# Altium PCB 电机驱动.PcbDoc
Units mil, origin at the board's own origin, x right, y up, seen from the top; angles counter-clockwise.
Board outline 2687.28 x 1978.62 mil, 2 copper layers (Top Layer, Bottom Layer); 41 components, 24 nets, 134 pads, 46 vias.
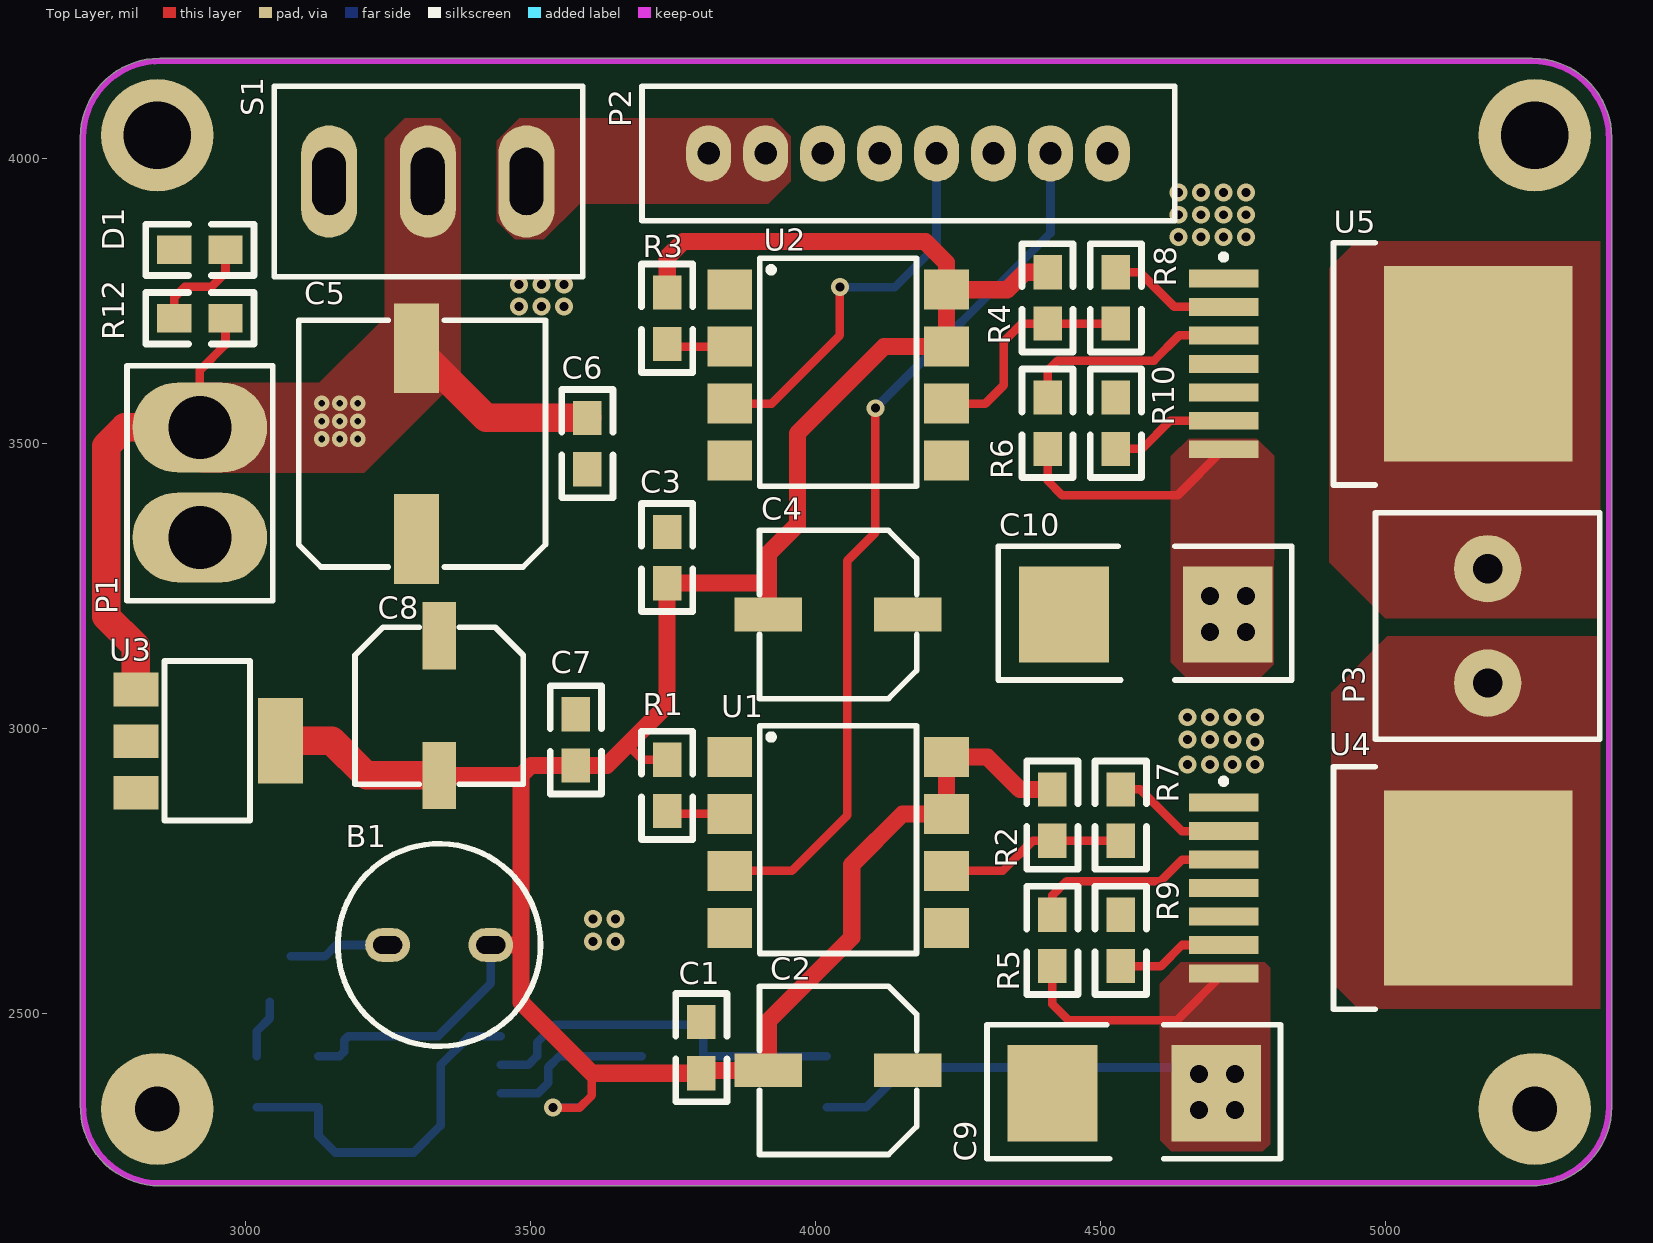
[diagram p0: Top Layer view]
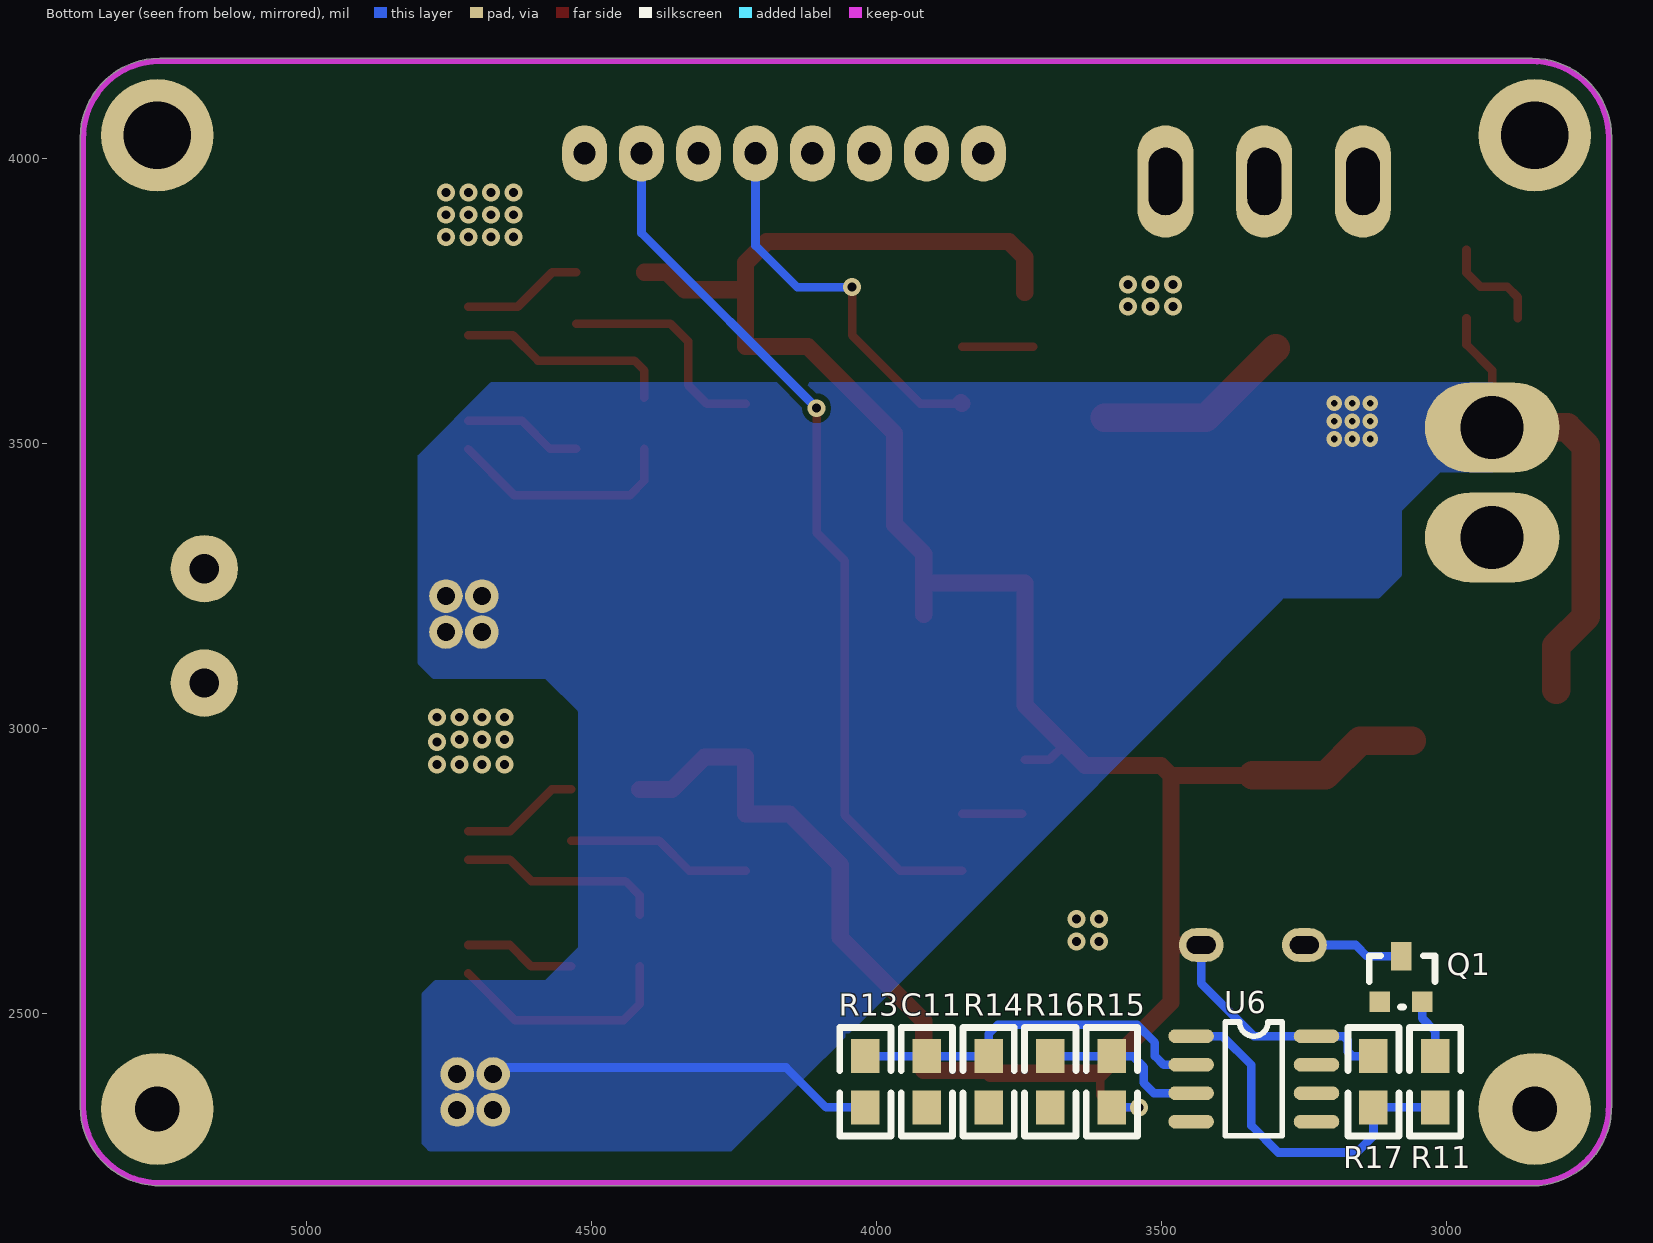
[diagram p1: Bottom Layer view, seen from below]
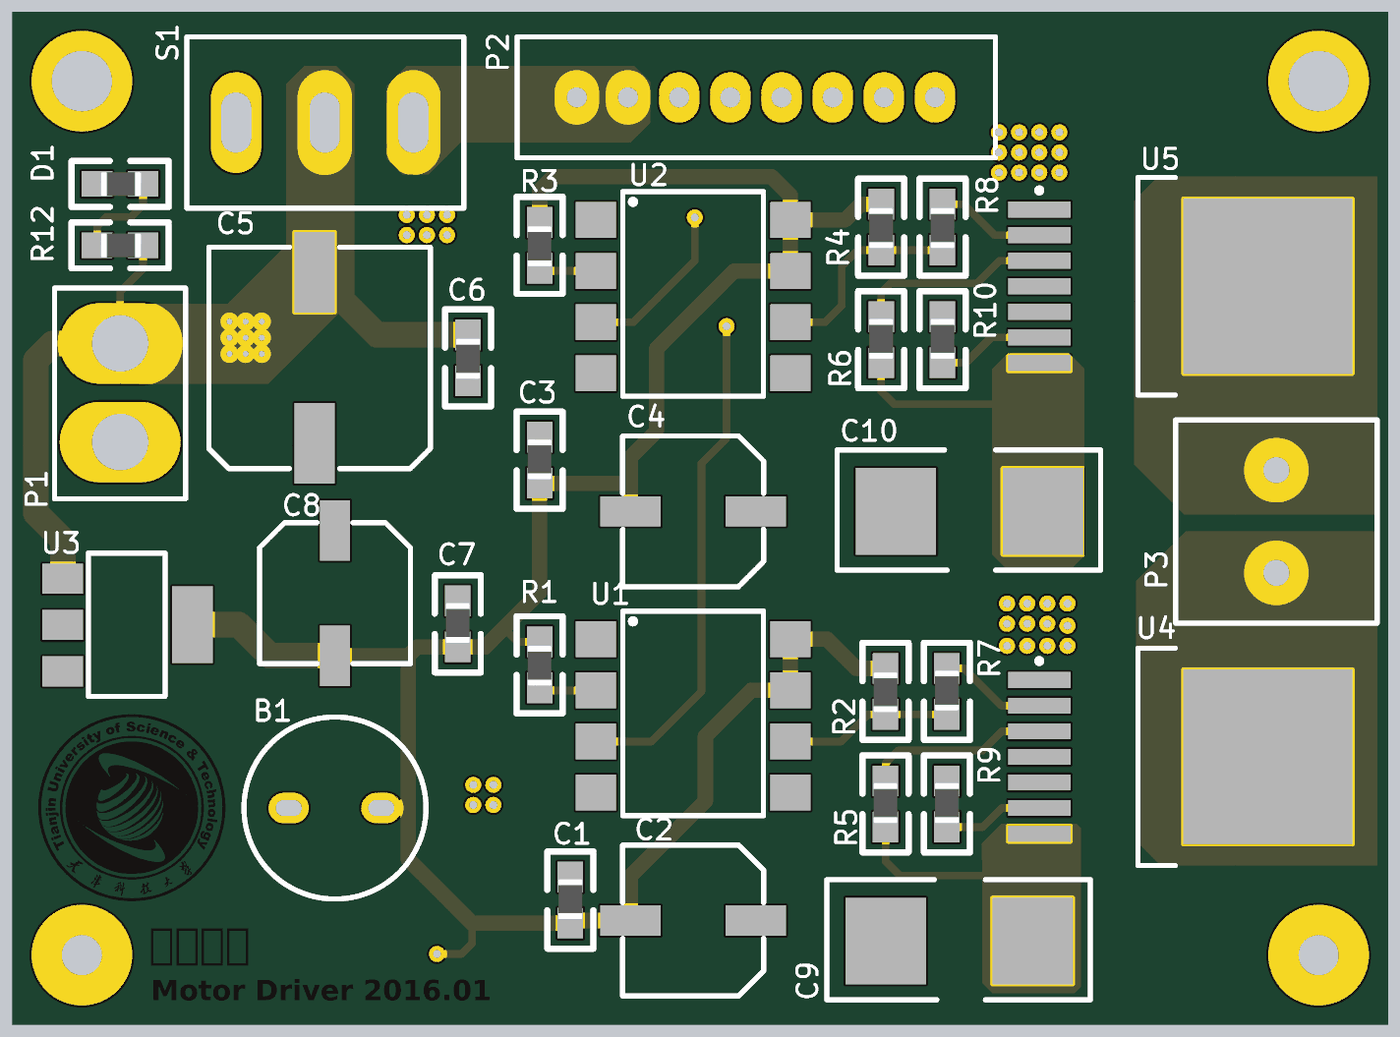
[diagram p2: 3D render of the assembled board from above, using the file's embedded part models]
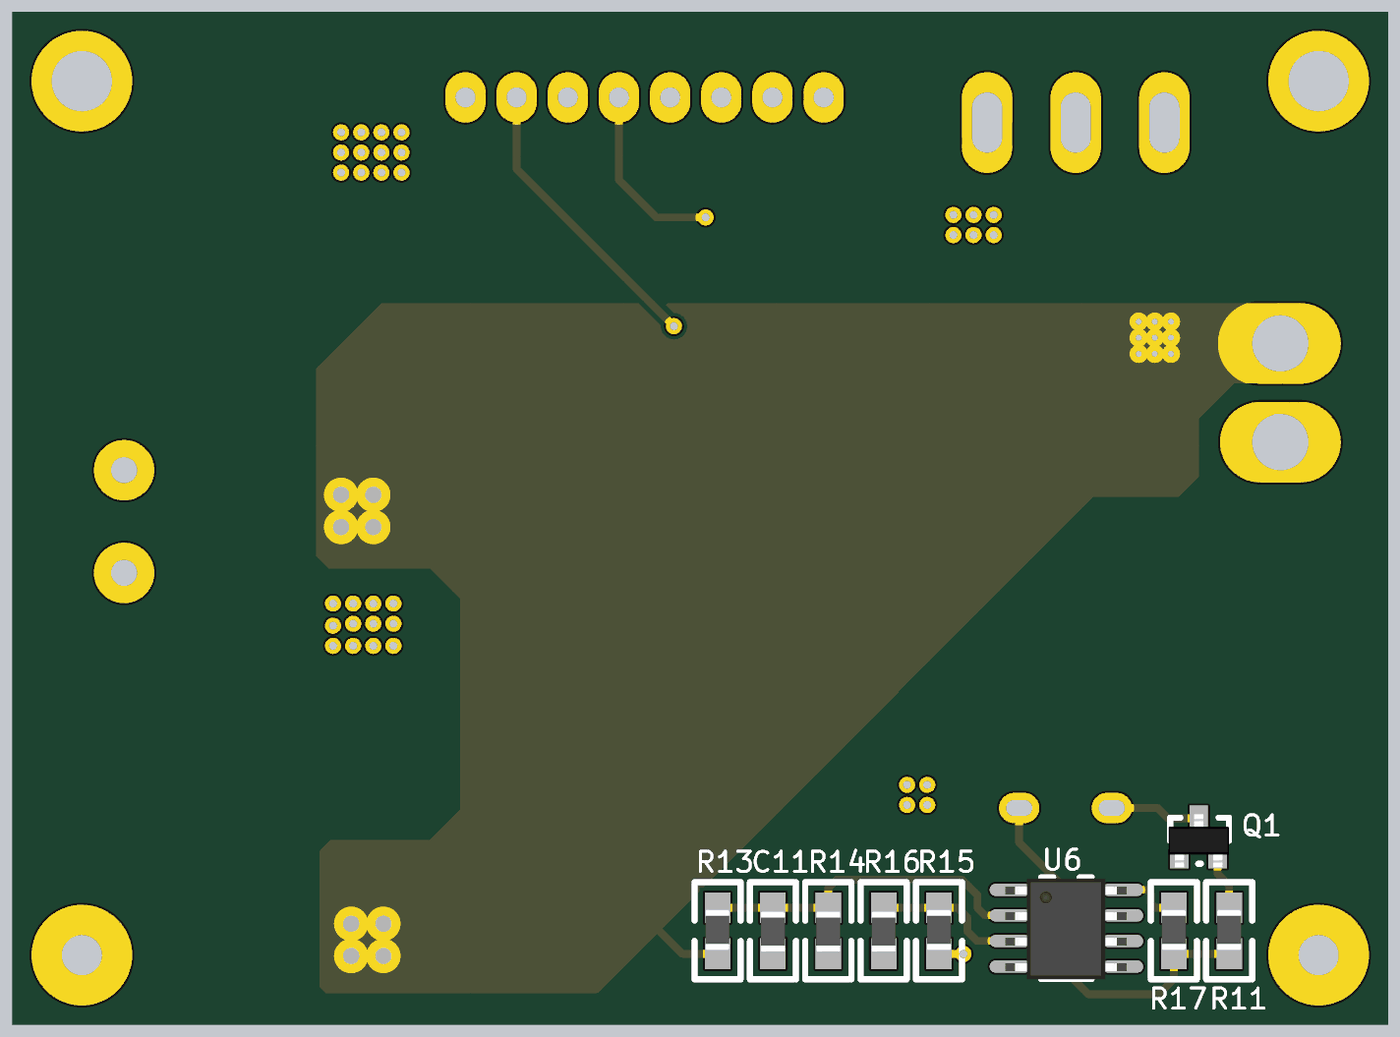
[diagram p3: 3D render of the assembled board from below, using the file's embedded part models]

## Layer stack, top to bottom
Top Layer: signal copper 1.4
Dielectric: dielectric 12.6, FR-4, Dk 4.8
Bottom Layer: signal copper 1.4

## Board outline
2710.34,2339.71 ccw(c2849.22,2336.3) 2849.22,2197.38 ccw(c2849.22,2202.4) 2849.87,2197.43 5254.57,2197.43 ccw(c5254.57,2202.44) 5255.21,2197.47 ccw(c5258.62,2336.34) 5397.54,2336.34 ccw(c5392.52,2336.34) 5397.5,2336.99 5397.5,4033.03 ccw(c5392.48,4033.03) 5397.45,4033.68 ccw(c5258.58,4037.09) 5397.5,4037.09 ccw(c5258.58,4037.09) 5258.58,4176 ccw(c5258.58,4170.99) 5257.93,4175.96 2849.17,4175.96 ccw(c2849.17,4037.04) 2710.26,4037.04 ccw(c2715.27,4037.04) 2710.3,4036.39 2710.3,2340.35 ccw(c2715.32,2340.35)

## Design rules (kind name [scope] priority, off if disabled: settings)
Clearance [All] p1: gap=10
HoleSize [All] p1: absolutevalues=TRUE maxlimit=1968.5 minlimit=1 maxpercent=80.000 minpercent=20.000
MinimumSolderMaskSliver [All] p1: minsoldermaskwidth=0
PolygonConnect [All] p1: connectstyle=Direct reliefconductorwidth=10 reliefentries=4 polygonreliefangle="90 Angle"
RoutingVias [All] p1: holewidth=11.81 width=10 viastyle="Through Hole" minholewidth=10 minwidth=10 maxholewidth=100 maxwidth=23.62
SilkToSilkClearance [All] p1: silktosilkclearance=0
SilkscreenOverComponentPads [All] p1: minsilkscreentomaskgap=0
SolderMaskExpansion [All] p1: expansion=4
Width [All] p1: maxlimit=120 minlimit=10 preferedwidth=15 minimp=50.000000 maximp=50.000000 favimp=50.000000
24 further rules are at their usual default settings.

## Components (designator, comment, footprint, x,y, rotation, side; value= is the part's Value field where it differs from the comment)
B1 "Bell" Buzzer 3340,2620 r180 top
C1 "104" 0805 3800,2440 r270 top
C2 "10UF" "tiepian 100uf 6*7" 4040,2400 r0 top locked
C3 "104" 0805 3740,3300 r270 top locked
C4 "10UF" "tiepian 100uf 6*7" 4040,3200 r0 top locked
C5 "470UF" "tie pian 470uf 10*10.3" 3300,3500 r270 top
C6 "104" 0805 3600,3500 r90 top
C7 "104" 0805 3580,2980 r270 top
C8 "100UF" "tiepian 100uf 6*7" 3340,3040 r90 top locked
C9 "10UF" 7343 4560,2360 r0 top locked
C10 "10UF" 7343 4580,3200 r0 top
C11 "1UF" 0805 3911.81,2380 r90 bottom
D1 "Led" 0805 2920,3840 r180 top locked
P1 "Battery Input" XT-30 2920,3420 r90 top
P2 "MCU Port" 8P-2.54 4060,4206.06 r180 top locked
P3 "Motor" 接头10MM 5180,3180 r90 top locked
Q1 "PNP" SOT-23 3080,2560 r180 bottom
R1 "470" 0805 3740,2900 r90 top locked
R2 "10K" 0805 4416.06,2848.03 r90 top locked
R3 "470" 0805 3740,3720 r90 top locked
R4 "10K" 0805 4407.56,3755.59 r90 top locked
R5 "4.7K" 0805 4416.06,2628.03 r270 top locked
R6 "4.7K" 0805 4407.56,3535.59 r270 top locked
R7 "1K" 0805 4536.06,2848.03 r270 top locked
R8 "1K" 0805 4527.56,3755.59 r90 top locked
R9 "470" 0805 4536.06,2628.03 r270 top locked
R10 "470" 0805 4527.56,3535.59 r270 top locked
R11 "1K" 0805 3020,2380 r270 bottom
R12 "Rest" 0805 2920,3720 r180 top locked
R13 "8.2K" 0805 4020,2380 r270 bottom
R14 "5K" 0805 3803.62,2380 r90 bottom
R15 "1K" 0805 3587.24,2380 r270 bottom
R16 "1K" 0805 3695.43,2380 r90 bottom
R17 "4.7K" 0805 3128.19,2380 r270 bottom
S1 "单刀开关" 钮子开关 3320,3960 r180 top locked
U1 "6N137" 6N137 4040,2800 r0 top locked
U2 "6N137" 6N137 4040,3620 r0 top locked
U3 "LM1117_5.0" SOT-223 2940,2980 r270 top
U4 "BTN7971B" BTN7971B 4940,2720 r270 top locked
U5 "BTN7971B" BTN7971B 4940,3640 r270 top locked
U6 "LM393" SOP-8 3448.19,2460 r180 bottom

## Footprints (in the part's own frame and the unit in brackets; to place one, negate y for a bottom-side part, rotate by r counter-clockwise, add the part's x,y. Pads: shape width x height; smd on the part's side, far side on the other; paste and mask are expansions set on the pad)
6N137 [mm]
  rect 2x1.78 smd: 1(-4.826,3.81) 2(-4.826,1.27) 3(-4.826,-1.27) 4(-4.826,-3.81) 5(4.826,-3.81) 6(4.826,-1.27) 7(4.826,1.27) 8(4.826,3.81)
  silkscreen extent -3.49,-4.95 3.49,5.21
8P-2.54 [mm]
  oval 2x2.5 hole 1: 1(-11.5,5) 2(-8.96,5) 3(-6.42,5) 4(-3.88,5) 5(-1.34,5) 6(1.2,5) 7(3.74,5) 8(6.28,5)
  silkscreen extent -14.5,2 9.25,8
0805 [mil]
  rect 60x50 smd: 1(-45,0) 2(45,0)
  silkscreen extent -95,-45 95,45, body extent -41,-24 38,24, height 20
7343 [mm]
  rect 4x4.3 smd: 1(-3.65,0) 2(3.65,0)
  silkscreen extent -6.57,-2.92 6.51,3.05
BTN7971B [mm] "TO, 8-Pads, Body 9.3x10.8mm (max), IPC Medium Density"
  rect 0.8x3.1 smd: 1(-3.81,-5.675) 2(-2.54,-5.675) 3(-1.27,-5.675) 4(0,-5.675) 5(1.27,-5.675) 6(2.54,-5.675) 7(3.81,-5.675)
  rect 8.7x8.4 smd: 8(0,5.675)
  silkscreen extent -5.4,-5.8 5.4,1.08, body extent -5.4,-0.77 5.4,8.48, height 4.4
Buzzer [mm]
  oval 2x1.5 hole 0.8 slot 1.3 at 0 deg: 1(-2.3,0) 2(2.3,0)
  silkscreen extent -4.52,-4.52 4.52,4.52
SOP-8 [mil]
  oval 80x24 smd: 1(0,0) 2(0,-50) 3(0,-100) 4(0,-150) 5(220,-150) 6(220,-100) 7(220,-50) 8(220,0)
  silkscreen extent 60,-175 160,25, body extent -10,-175 228,22, height 63
SOT-23 [mil]
  rect 36x36 smd: 1(-37.5,-40) 2(37.5,-40)
  rect 36x50 smd: 3(0.5,40)
  silkscreen extent -56,-49 59,41, body extent -59,-56 59,48, height 43
SOT-223 [mil]
  rect 59x79 smd: 1(-88.39,-132.2) 2(2.17,-132.2) 3(92.72,-132.2)
  rect 150x79 smd: 4(1.5,121.34)
  silkscreen extent -138,-82 142,68
"tie pian 470uf 10*10.3" [mm]
  rect 4x2 smd: 1(-4.25,0) 2(4.25,0)
  silkscreen extent -5.5,-5.25 5.5,5.75
"tiepian 100uf 6*7" [mm]
  rect 3x1.5 smd: 1(-3.111,0) 2(3.111,0)
  silkscreen extent -3.5,-3.75 3.5,3.75
XT-30 [mm]
  oval 4x6 hole 2.8: 1(-2.15,0) 2(2.75,0)
  silkscreen extent -4.97,-3.25 5.5,3.25
接头10MM [mm]
  round 3 hole 1.3: 1(-2.55,0) 2(2.55,0)
  silkscreen extent -5.05,-5 5.05,5
钮子开关 [mm]
  oval 2.5x5 hole 1.5 slot 3 at 90 deg: 1(-4.4,0) 2(0,0) 3(4.4,0)
  silkscreen extent -6.9,-4.25 6.85,4.25

## Part data
B1: "Electrical Bell"
C1 C3 C6 C7 C9 C10 C11: library part Cap
C2 C4 C5 C8: library part "Cap Pol1"
P1: library part "Header 2", "Header, 2-Pin"
P2: library part "Header 8", "Header, 8-Pin"
Q1: "PNP Bipolar Transistor"
R1 R2 R3 R4 R5 R6 R7 R8 R9 R10 R11 R13 R14 R15 R16 R17: library part Rest
U1 U2: library part 6n137
U3: library part LM1117_5V

## Free pads (board coordinates)
  round 196.85 hole 118.11: 0(2845.24,4041.02) 1(5262.56,4041.02)
  round 59.06 hole 31.5: 0(4673.23,2393.7) 0(4692.91,3232.28) 1(4736.22,2393.7) 1(4755.91,3232.28) 2(4673.23,2330.71) 2(4692.91,3169.29) 3(4736.22,2330.71) 3(4755.91,3169.29)
  round 196.85 hole 78.74: 2(5262.56,2332.36) 3(2845.24,2332.36)

## Via types
v1: diameter 31.5, hole 15.75, Top Layer to Bottom Layer, 37 vias
v2: diameter 27.56, hole 11.81, Top Layer to Bottom Layer, 9 vias

## Nets (pads, with @x,y where several pads share a name; then routed paths per layer and width w, separated by ;. In a path a pad name is that pad's centre, name@x,y a point inside that pad or via, vN(x,y) a via of type N, cw(c..) or ccw(c..) an arc to the next point about the centre after c; other vN are vias at no path point)
5V: B1.1 C1.2 C2.1 C3.2 C4.1 C7.2 C8.1 R1.2 R2.2 R3.2 R4.2 R15.2 R17.1 U1.7 U1.8 U2.7 U2.8 U3.4 U6.8 | length 5289.5
  Top Layer w15: C8.1@3324.29,2901.79 C8.1 ; v1(3539.37,2334.65) 3586.61,2334.65 3607.95,2355.98 3607.95,2395 ; 3670.6,2971.6 3697.2,2945 R1.2
  Top Layer w30: C8.1 3483.5,2917.5 ; B1.1 3481.61,2620 ; R3.2@3740.16,3765 3740.16,3826.77 3767.72,3854.33 4192.91,3854.33 4230,3817.24 U2.7 4120.79,3670 3968.5,3517.72 3968.5,3357.5 3917.5,3306.5 C4.1 ; C1.2 3607.95,2395 3483.5,2519.45 3483.5,2917.5 ; C1.2@3805,2400 C2.1 3917.5,2486.5 4064,2633 4064,2760.85 4153.15,2850 U1.7 U1.8 4301.97,2950 4358.94,2893.03 R2.2 ; 3916.59,3255 C3.2 3740,3041 3670.6,2971.6 3634,2935 C7.2 3501,2935 3483.5,2917.5 ; U2.8 4336.93,3770 4367.52,3800.59 R4.2
  Top Layer w50: U3.4 3151.5,2978.5 3212.5,2917.5 C8.1
  Bottom Layer w15: R17.1 3165.16,2425 3173.23,2433.07 3173.23,2452.76 3180.47,2460 U6.8 3337.95,2460 3430.55,2552.6 B1.1 ; v1@3539.72,2335 R15.2
7.4V: C5.1 C6.2 C9.2 C10.2 P1.2 pad.0@4673.23,2393.7 pad.0@4692.91,3232.28 pad.1@4736.22,2393.7 pad.1@4755.91,3232.28 pad.2@4673.23,2330.71 pad.2@4692.91,3169.29 pad.3@4736.22,2330.71 pad.3@4755.91,3169.29 R5.2 R6.2 R12.1 R13.2 S1.2 U3.1 U4.7 U5.7 | length 2679.8
  Top Layer w15: P1.2 2920,3628.66 2965,3673.66 R12.1 ; R6.2 4407.56,3434.96 4433.07,3409.45 4636.02,3409.45 U5.7 ; R5.2 4416.06,2516.06 4444.13,2488 4634.57,2488 U4.7
  Top Layer w50: U3.1 2807.8,3144.2 2755.32,3196.68 2755.32,3495.47 2788.11,3528.27 P1.2 ; C5.1 3422.32,3545 C6.2
  Bottom Layer w15: R13.2 4088.94,2335 4158.94,2405 pad.0@4661,2405
  other v2: 3133.86,3507.87 3165.35,3507.87 3196.85,3507.87 3133.86,3539.37 3165.35,3539.37 3196.85,3539.37 3133.86,3570.87 3165.35,3570.87 3196.85,3570.87
GND: C1.1 C2.2 C3.1 C4.2 C5.2 C6.1 C7.1 C8.2 C9.1 C10.1 C11.1 D1.2 P1.1 P2.1 P2.3 P2.5 P2.6 Q1.1 R9.1 R10.1 R14.1 R16.1 U1.5 U2.5 U3.3 U4.1 U4.5 U5.1 U5.5 U6.4
  other v1: 3610.24,2625.98 3649.61,2625.98 3610.24,2665.35 3649.61,2665.35 4653.54,2937.01 4692.91,2937.01 4732.28,2937.01 4771.65,2937.01 4771.65,2976.38 4653.54,2980.32 4692.91,2980.32 4732.28,2980.32 4653.54,3019.68 4692.91,3019.68 4732.28,3019.68 4771.65,3019.68 3480.32,3740.16 3519.68,3740.16 3559.06,3740.16 3480.32,3779.53 3519.68,3779.53 3559.06,3779.53 4637.8,3862.2 4677.17,3862.2 4716.54,3862.2 4755.91,3862.2 4637.8,3901.57 4677.17,3901.57 4716.54,3901.57 4755.91,3901.57 4637.8,3940.94 4677.17,3940.94 4716.54,3940.94 4755.91,3940.94
MOTOR_IN1: R2.1 R7.2 U1.6 | length 328
  Top Layer w15: U1.6 4328.74,2750 4381.77,2803.03 R7.2
MOTOR_IN2: R4.1 R8.1 U2.6 | length 400.7
  Top Layer w15: U2.6 4298.35,3570 4330.71,3602.36 4330.71,3679.09 4362.2,3710.59 R4.1 R8.1
NetB1_2: B1.2 Q1.3 | length 178.2
  Bottom Layer w15: Q1.3 3139.37,2600 3159.37,2620 B1.2
NetC11_2: C11.2 R13.1 R14.2 U6.2 | length 660.1
  Bottom Layer w15: U6.2 3496.61,2410 3511.81,2425.2 3511.81,2448.82 3542.76,2479.76 3787.95,2479.76 3803.62,2464.09 R14.2 R13.1
NetD1_1: D1.1 R12.2 | length 185
  Top Layer w15: R12.2 2875,3756.89 2893.7,3775.59 2940.94,3775.59 2965,3799.65 D1.1
NetP2_7: P2.7 P2.8 S1.1
NetP3_1: P3.1 U4.8
NetP3_2: P3.2 U5.8
NetQ1_2: Q1.2 R11.1 | length 104.3
  Bottom Layer w15: R11.1 3020,2468.82 3042.5,2491.32 Q1.2
NetR1_1: R1.1 U1.2 | length 105
  Top Layer w15: R1.1@3745,2850 U1.2
NetR3_1: R3.1 U2.2 | length 125
  Top Layer w15: R3.1@3725,3670 U2.2
NetR5_1: R5.1 U4.3 | length 360.8
  Top Layer w15: R5.1 4416.06,2707.4 4440.94,2732.28 4606.3,2732.28 4644.02,2770 U4.3
NetR6_1: R6.1 U5.3 | length 382.1
  Top Layer w15: R6.1 4407.56,3628.03 4425.2,3645.67 4594.49,3645.67 4638.82,3690 U5.3
NetR7_1: R7.1 U4.2 | length 210.8
  Top Layer w15: R7.1 4570.2,2893.03 4643.23,2820 U4.2
NetR8_2: R8.2 U5.2 | length 214.1
  Top Layer w15: R8.2 4569.49,3800.59 4630.08,3740 U5.2
NetR9_2: R9.2 U4.6 | length 196.1
  Top Layer w15: R9.2 4536.42,2582.68 4606.46,2582.68 4643.78,2620 U4.6
NetR10_2: R10.2 U5.6 | length 209.5
  Top Layer w15: R10.2 4573.27,3490.59 4622.68,3540 U5.6
NetR11_2: R11.2 R17.2 U6.1 | length 636.9
  Bottom Layer w15: R11.2 R17.2 3128.19,2285.2 3157.48,2255.91 3295.28,2255.91 3342.52,2303.15 3342.52,2409.45 3393.07,2460 U6.1
NetR15_1: R15.1 R16.2 U6.3 | length 290.3
  Bottom Layer w15: U6.3 3513.54,2360 3531.5,2377.95 3531.5,2405.51 3550.98,2425 R16.2
PWM1: P2.2 U1.3 | length 1556
  Top Layer w15: U1.3 3958.66,2750 4056.1,2847.44 4056.1,3294.29 4105.31,3343.5 v1(4105.31,3562.01)
  Bottom Layer w15: v1(4105.31,3562.01) 4412.76,3869.45 P2.2
PWM2: P2.4 U2.3 | length 691.8
  Top Layer w15: U2.3 3923.35,3570 4043.31,3689.96 v1(4043.31,3774.61)
  Top Layer w30: U2.3 U2.3@3852,3572
  Bottom Layer w15: v1(4043.31,3774.61) 4139.76,3774.61 4212.76,3847.6 P2.4
pads on no net: S1.3 U1.1 U1.4 U2.1 U2.4 U3.2 U4.4 U5.4 U6.5 U6.6 U6.7

## Polygon pours and split planes (outlines as drawn)
7.4V on Top Layer "Top Layer-No Net" (solid, pour order 1003): 4788.39,2589.57 4798.23,2579.72 4798.23,2270.67 4785.43,2257.87 4625,2257.87 4605.31,2277.56 4604.33,2552.17 4641.73,2589.57
7.4V on Top Layer "Top Layer-No Net" (solid, pour order 1004): 4655.51,3508.86 4774.61,3508.86 4805.12,3478.35 4805,3113 4782,3090 4650,3090 4624,3116 4624,3473 4624.02,3477.36
7.4V on Top Layer "Top Layer-No Net" (solid, pour order 1000): 3342.52,4070.87 3377.95,4035.43 3377.95,3618.11 3208.66,3448.82 2921.26,3448.82 2921.26,3606.3 3129.92,3606.3 3244.09,3720.47 3244.09,4035.43 3279.53,4070.87
NetP3_1 on Top Layer "Top Layer-No Net" (solid, pour order 1000): 4952.76,2507.87 5392.48,2507.87 5392.48,3161.42 5003.94,3161.42 4905.51,3062.99 4905.51,2555.12 4952.76,2507.87
NetP3_2 on Top Layer "Top Layer-No Net" (solid, pour order 1001): 5388.97,3854.99 5388.97,3193.57 5000.43,3193.57 4902,3292 4902,3807.75 4949.24,3854.99
NetP2_7 on Top Layer "Top Layer-No Net" (solid, pour order 1002): 3440.94,4031.5 3440.95,4031.5 3480.32,4070.87 3925.2,4070.87 3956.69,4039.37 3956.69,3980.32 3956.69,3960.63 3917.32,3921.26 3622.05,3921.26 3586.61,3921.26 3523.62,3858.27 3472.44,3858.27 3440.94,3889.76 3440.94,4031.5
7.4V on Bottom Layer "Top Layer-No Net" (solid, remove dead copper, pour order 1002): 2919.29,3607.28 4677.17,3607.28 4806.1,3478.35 4805.12,3477.36 4805.12,3113.19 4779.53,3087.6 4581.69,3087.6 4523.62,3029.53 4523.62,2616.14 4581.69,2558.07 4775.59,2558.07 4798.23,2535.43 4798.23,2270.67 4785.43,2257.87 4625,2257.87 4582.68,2257.87 4254.92,2257.87 3718.5,2794.29 3286.42,3228.35 3118.11,3228.35 3078.74,3267.72 3078.74,3381.89 3010.83,3449.8 2919.29,3449.8

## Keep-outs
Keep-Out Layer:
  lines w10: 2715.27,4037.04 cw(c2849.17,4037.04) 2853.23,4170.88 ; 2715.32,2340.35 2715.32,4037.04 ; 2715.38,2340.35 ccw(c2849.22,2336.3) 2849.22,2202.4 ; 2849.17,4170.94 5258.58,4170.94 ; 2849.22,2202.44 5254.57,2202.44 ; 5254.57,2202.5 ccw(c5258.62,2336.34) 5392.52,2336.34 5392.48,4033.03 ; 5258.58,4170.99 cw(c5258.58,4037.09) 5392.42,4033.03

## Silkscreen, mask and mechanical layers (free items; w line width, h text height)
Top Solder:
  drawing of 7574 lines, arcs and shapes, not listed
  text "新电五队" at 2976.38,2326.77 h118.11
  text "Motor Driver 2016.01" at 2980.32,2244.09 h78.74